# Altium PCB iTOP4412_main_Clasics_v3_2.PcbDoc (part 6 of 7)
Units mil, origin at the board's own origin, x right, y up, seen from the top; angles counter-clockwise.
Board outline 4331.71 x 7481.31 mil, 2 copper layers (TOP, BOTTOM), stack 10.4 mil thick; 260 components, 380 nets, 1380 pads, 1110 vias.
Unrouted connection lines stored in the file: 1.
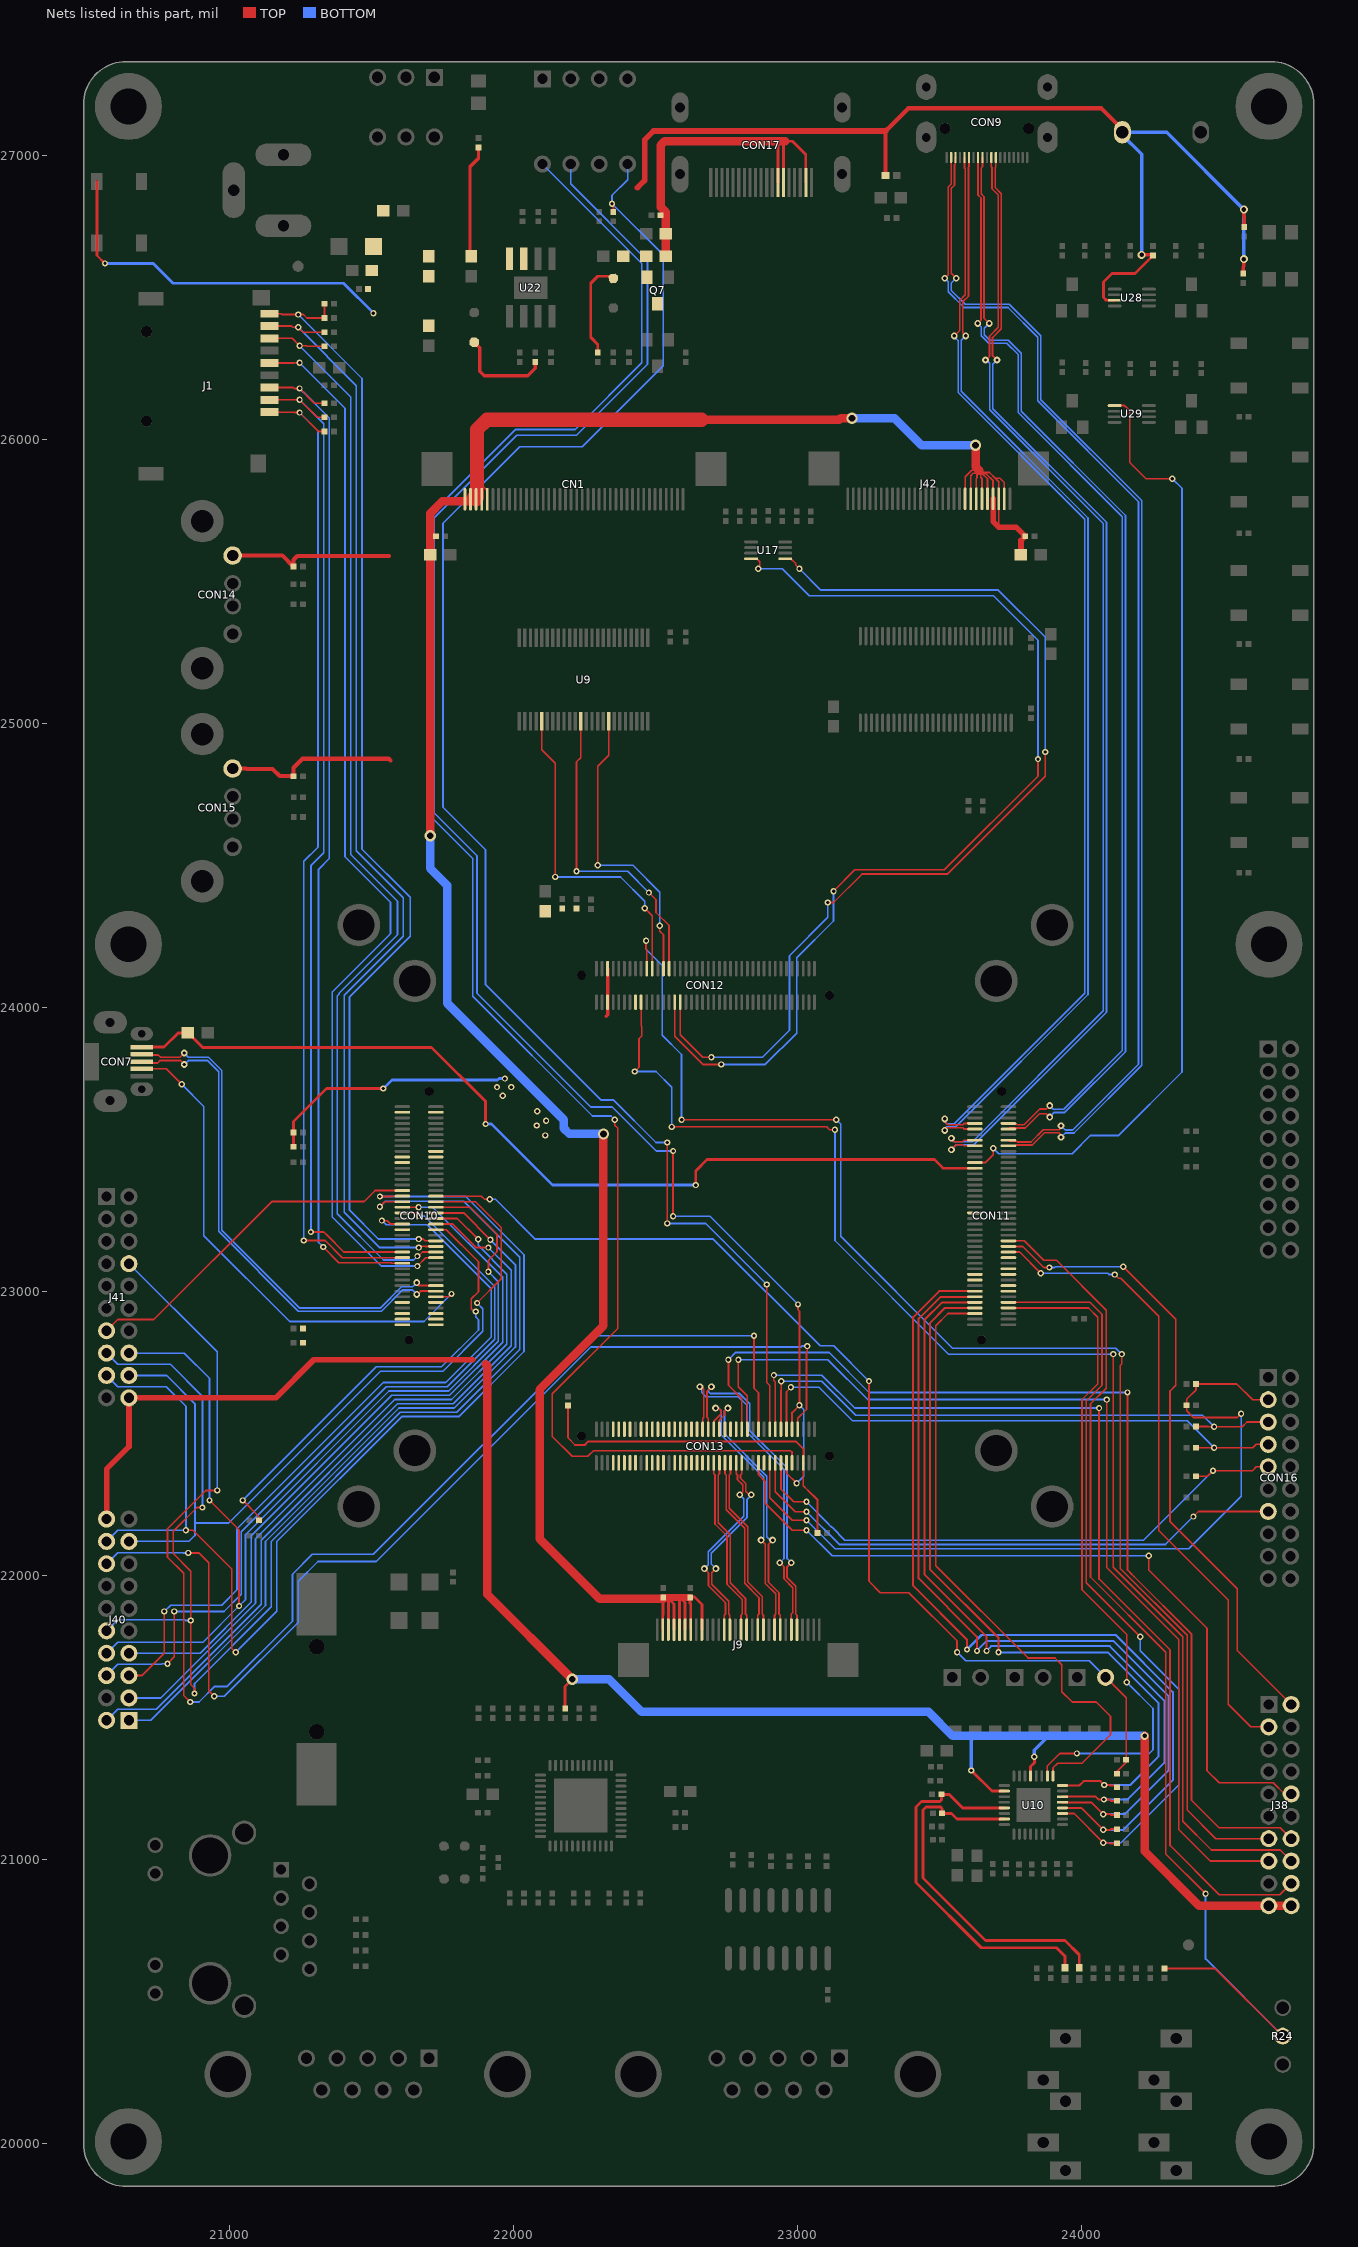
[diagram p6: the nets of this part, all layers, seen from the top]

## Via types
v1: diameter 22, hole 12, TOP to BOTTOM, 637 vias
v2: diameter 28, hole 16, TOP to BOTTOM, 350 vias
v3: diameter 24, hole 12, TOP to BOTTOM, 111 vias
v4: diameter 40, hole 24, TOP to BOTTOM, 12 vias

## Nets (pads, with @x,y where several pads share a name; then routed paths per layer and width w, separated by ;. In a path a pad name is that pad's centre, name@x,y a point inside that pad or via, vN(x,y) a via of type N, cw(c..) or ccw(c..) an arc to the next point about the centre after c; other vN are vias at no path point) (continued)
VSYS: C1.1 C2.1 C3.1 C61.1 C62.1 C87.1 C88.1 C104.1 C154.1 CON14.1 CON15.1 F1.2 F2.1 FB17.1 J38.19 J38.20 J40.20 J41.20 PZ1.+ Q7.2 R6.2 R8.1 R10.1 R31.2 R105.2 R106.2 R165.2 R173.2 U10.21 U10.26 U22.3 U22.4 U28.7 | length 14530
  TOP w8: 20534.11,26649.31 v1(20562.85,26620.57)
  TOP w10: 20534.11,26649.31 20534.11,26692.3 20534.11,26908.84 ; R173.2@21226.35,23510.57 R165.2@21226.35,23560.57 21226.35,23599.07 21342.85,23715.57 v1(21542.85,23715.57) ; R31.2@22182.85,21532.07 22182.85,21610.57 v4(22207.85,21635.57) ; R8.1@22297.85,26307.07 22297.85,26335.57 22272.85,26360.57 22272.85,26550.57 22297.89,26575.61 C61.1@22352.85,26575.61 ; Q7.2@22470.85,26567.63 Q7.2@22470.85,26571.57 ; v1(23612.85,21314.57) 23685.38,21242.05 U10.26@23729.27,21242.05 ; U10.21@23821.79,21295.2 23821.79,21328.5 23834.85,21341.57 v1(23834.85,21362.57) ; U28.7@24118.01,26490.73 24087.85,26490.73 24077.85,26500.73 24077.85,26555.57 24107.85,26585.57 24189.85,26585.57 24252.85,26648.57 C104.1@24252.85,26649.07
  TOP w12: C154.1@21847.85,26644.94 21847.85,26654.94 21847.85,26664.94 21847.85,26960.57 21877.85,26990.57 R6.2@21877.85,27029.07 ; v2(24212.85,26650.57) 24251.35,26650.57 C104.1@24252.85,26649.07 ; R106.2@24569.85,26585.07 24569.85,26607.57 24572.85,26610.57 v2(24572.85,26635.57) ; v2(24572.85,26810.57) 24572.85,26785.57 24573.85,26784.57 R105.2@24573.85,26748.07
  TOP w15: CON15.1@21012.35,24842.07 21060.35,24842.07 21061.85,24840.57 21152.85,24840.57 21177.85,24815.57 C88.1@21226.35,24815.57 21226.35,24845.07 21257.85,24876.57 21561.85,24876.57 21567.85,24870.57 ; CON14.1@21012.35,25592.07 21187.35,25592.07 21225.85,25553.57 C87.1@21226.35,25553.57 21226.35,25577.07 21239.85,25590.57 21562.85,25590.57 ; 23310.85,27086.57 23310.85,27025.55 23311.17,27025.24 FB17.1@23311.17,26930.57 ; 23313.85,27089.57 23390.85,27166.57 24070.74,27166.57 24144.9,27092.41 PZ1.+@24144.9,27082.57
  TOP w20: J40.20@20568.48,22199.9 20568.48,22376.2 20647.22,22454.94 J41.20@20647.22,22626.56 21163.84,22626.56 21297.85,22760.57 21857.85,22760.57 ; 22437.85,26887.57 22462.85,26912.57 22462.85,27055.57 22493.85,27086.57 23310.85,27086.57 23313.85,27089.57
  TOP w30: 21902.85,22745.57 21907.85,22740.57 21907.85,21935.57 v4(22207.85,21635.57) ; v2(24222.85,21436.53) 24222.85,21030.57 24415.19,20838.24 J38.19@24660.48,20838.24 J38.20@24739.22,20838.24
  BOTTOM w10: v1(20562.85,26620.57) 20732.85,26620.57 20802.85,26550.57 21402.85,26550.57 v1(21507.85,26445.57) ; v1(21542.85,23715.57) 21572.85,23745.57 21944.85,23745.57 21949.85,23750.57 v1(21970.85,23750.57)
  BOTTOM w12: v1(23612.85,21314.57) 23612.85,21420.53 23628.85,21436.53 ; v1(23834.85,21362.57) 23834.85,21386.53 23884.85,21436.53 ; v2(24212.85,26650.57) 24212.85,27004.78 24144.9,27072.73 PZ1.+@24144.9,27082.57 24300.85,27082.57 v2(24572.85,26810.57) v2(24572.85,26635.57)
  BOTTOM w30: v4(22207.85,21635.57) 22337.85,21635.57 22452.85,21520.57 23462.85,21520.57 23546.9,21436.53 23628.85,21436.53 23884.85,21436.53 v2(24222.85,21436.53)
  other v1: 22112.85,23550.57 22082.85,23585.57 22115.82,23602.58 22084.85,23635.57 21962.85,23690.57 21942.85,23720.57 21992.85,23720.57
VSYS_K: C93.1 C112.1 C117.1 C118.1 C129.1 C130.1 CON10.1 CON10.2 CON10.3 CON10.4 CON10.5 CON10.6 CON12.75 CON12.76 F2.2 L7.2 R131.1 | length 514.9
  TOP w12: L7.2@21862.85,26343.41 21882.85,26323.41 21882.85,26240.57 21897.85,26225.57 22051.85,26225.57 22077.85,26251.57 R131.1@22077.85,26274.07 ; 22327.85,23970.57 22332.34,23975.06 CON12.75@22332.34,24019.86 CON12.76@22332.34,24137.98
VSYS_LCD: C4.1 C5.1 C68.1 C69.1 C144.1 C145.1 C152.1 C153.1 CN1.1 CN1.2 CN1.3 CN1.4 CN1.5 CON17.13 CON17.14 CON17.18 J9.2 J9.3 J9.4 J9.5 J9.6 J9.7 J9.9 J42.2 J42.3 J42.4 J42.5 J42.6 J42.7 J42.8 J42.9 Q7.3 R10.2 | length 10532.4
  TOP w6: 21707.85,25660.57 C153.1@21727.85,25660.57 ; 21897.85,25831.57 21908.78,25820.65 CN1.5@21908.78,25790.33 ; C4.1@22519.35,26790.57 22527.85,26790.57 22537.85,26800.57 ; J42.9@23591.23,25791.89 23591.23,25868.95 23614.85,25892.57 23639.85,25892.57 ; J42.8@23610.92,25791.89 23610.92,25873.63 23618.85,25881.57 23630.85,25881.57 23632.85,25883.57 ; J42.7@23630.6,25791.89 23630.6,25863.32 23632.85,25865.57 23632.85,25883.57 ; J42.6@23650.29,25791.89 23650.29,25863.14 23645.85,25867.57 23645.85,25886.57 ; J42.5@23669.97,25791.89 23669.97,25862.45 23651.85,25880.57 ; J42.4@23689.66,25791.89 23689.66,25855.77 23664.85,25880.57 23651.85,25880.57 ; 23709.34,25692.1 J42.3@23709.34,25791.89 23709.34,25852.08 23696.85,25864.57 ; J42.2@23729.03,25791.89 23729.03,25849.4 23713.85,25864.57 23696.85,25864.57 ; 23632.85,25883.57 23640.85,25891.57 23645.85,25886.57 ; 23645.85,25886.57 23647.85,25884.57 ; 23647.85,25884.57 23676.85,25884.57 23696.85,25864.57 ; 23647.85,25884.57 23651.85,25880.57
  TOP w10: J9.2@22526.68,21810.57 22526.68,21861.57 22527.85,21862.74 22527.85,21915.57 C69.1@22527.85,21924.07 ; 22542.85,21924.07 22546.37,21920.56 ; J9.3@22546.37,21810.57 22546.37,21920.56 ; J9.4@22566.05,21810.57 22566.05,21900.87 22546.37,21920.56 ; J9.5@22585.74,21810.57 22585.74,21921.95 22587.85,21924.07 22605.42,21906.5 J9.6@22605.42,21810.57 ; J9.7@22625.11,21810.57 22625.11,21900.32 22622.85,21902.57 C68.1@22622.85,21924.07 22624.35,21925.57 22637.85,21925.57 22664.48,21898.95 J9.9@22664.48,21810.57 ; CON17.13@22931.91,26904.84 22931.91,27050.57 ; CON17.14@22951.59,26904.84 22951.59,27044.31 22957.85,27050.57 22982.85,27050.57 23030.33,27003.09 CON17.18@23030.33,26904.84
  TOP w20: J42.4@23689.66,25791.89 23689.66,25711.78 23709.34,25692.1 23770.83,25692.1 23802.35,25660.57 C145.1@23802.85,25660.57 23787.85,25645.57 C144.1@23787.85,25595.57
  TOP w25: C69.1@22517.85,21919.07 22532.85,21919.07 C69.1@22527.85,21924.07 ; C69.1@22527.85,21915.57 22536.35,21924.07 22542.85,21924.07 22587.85,21924.07 C68.1@22622.85,21924.07
  TOP w30: v4(21707.85,24605.57) C152.1@21707.85,25595.57 21707.85,25660.57 21707.85,25740.57 21749.85,25782.57 21861.85,25782.57 21863.85,25784.57 ; CN1.3@21867.85,25791.89 CN1.3@21872.85,25796.89 ; v4(22317.85,23555.57) 22317.85,22880.57 22092.85,22655.57 22092.85,22130.57 22304.35,21919.07 C69.1@22517.85,21919.07 ; R10.2@22537.85,26645.57 C5.1@22537.85,26725.57 22537.85,26800.57 22519.35,26819.07 22519.35,27037.07 22532.85,27050.57 22931.91,27050.57 22957.85,27050.57 ; 22662.85,26070.57 23147.85,26070.57 23152.85,26075.57 v4(23192.85,26075.57) ; v4(23627.85,25980.57) 23627.85,25904.57 23639.85,25892.57 23640.85,25891.57
  TOP w50: 21862.85,25796.89 21867.85,25791.89 CN1.3@21869.41,25790.33 ; CN1.3@21872.85,25796.89 21872.85,26035.57 21907.85,26070.57 22662.85,26070.57
  BOTTOM w30: v4(21707.85,24605.57) 21707.85,24490.57 21767.85,24430.57 21767.85,24015.57 22177.85,23605.57 22177.85,23575.57 22197.85,23555.57 v4(22317.85,23555.57) ; v4(23192.85,26075.57) 23342.85,26075.57 23437.85,25980.57 v4(23627.85,25980.57)
W_PMU_EN: CON13.8 J40.16 | length 3858.9
  TOP w6: v1(20855.85,22080.57) 20892.85,22080.57 20927.85,22045.57 20927.85,21595.57 v1(20947.85,21575.57) ; CON13.8@23001.63,22515.93 23001.63,22554.35 23032.85,22585.57 23032.85,22787.17 23035.45,22789.77 v1(23035.45,22808.77)
  BOTTOM w6: J40.16@20568.48,22042.42 20607.48,22081.42 20836,22081.42 20836.85,22080.57 v1(20855.85,22080.57) ; v1(20947.85,21575.57) 20982.85,21575.57 21242.85,21835.57 21242.85,21980.57 21312.85,22050.57 21517.85,22050.57 22272.85,22805.57 23013.25,22805.57 23016.45,22808.77 v1(23035.45,22808.77)
WIFI_CLK: CON10.37 J40.5 | length 2712.8
  TOP w6: J40.5@20647.22,21648.72 20692.85,21648.72 20771.85,21727.72 v1(20771.85,21874.57) ; v1(21537.85,23250.57) 21556.85,23250.57 21569.06,23238.36 CON10.37@21609.9,23238.36
  BOTTOM w6: v1(20771.85,21874.57) 20793.85,21896.57 20973.85,21896.57 21027.85,21950.57 21027.85,22165.57 21542.85,22680.57 21762.85,22680.57 21922.85,22840.57 21922.85,23010.57 21697.85,23235.57 21552.85,23235.57 v1(21537.85,23250.57)
WIFI_CMD: CON10.38 J40.2 | length 2701.1
  TOP w6: CON10.38@21728.01,23238.36 21787.35,23238.36 21870.14,23155.57 v1(21912.85,23155.57)
  BOTTOM w6: J40.2@20568.48,21491.24 20607.81,21530.57 20743.85,21530.57 21112.85,21899.57 21112.85,22125.57 21592.85,22605.57 21788.85,22605.57 21992.85,22809.57 21992.85,23075.57 v1(21912.85,23155.57)
WIFI_D0: CON10.41 J40.6 | length 2697.6
  TOP w6: v1(20782.85,21690.57) 20806.85,21714.57 v1(20806.85,21874.57) ; CON10.41@21609.9,23277.73 21656.69,23277.73 v1(21667.85,23266.57)
  BOTTOM w6: J40.6@20568.48,21648.72 20608.22,21688.46 20761.74,21688.46 20763.85,21690.57 v1(20782.85,21690.57) ; v1(20806.85,21874.57) 20981.85,21874.57 21042.85,21935.57 21042.85,22155.57 21552.85,22665.57 21767.85,22665.57 21934.85,22832.57 21934.85,23015.54 21932.85,23017.54 21932.85,23020.57 21686.85,23266.57 v1(21667.85,23266.57)
WIFI_D1: CON10.40 J40.3 | length 2569.7
  TOP w6: CON10.40@21728.01,23258.06 21803.37,23258.06 v1(21876.85,23184.57)
  BOTTOM w6: J40.3@20647.22,21569.98 20759.26,21569.98 21092.85,21903.57 21092.85,22130.57 21582.85,22620.57 21782.85,22620.57 21977.85,22815.57 21977.85,23062.28 21876.85,23163.28 v1(21876.85,23184.57)
WIFI_D2: CON10.43 J40.7 | length 2589.1
  TOP w6: CON10.43@21609.9,23297.42 21647.71,23297.42 21647.85,23297.57 v1(21666.85,23297.57)
  BOTTOM w6: J40.7@20647.22,21727.46 20897.74,21727.46 21077.85,21907.57 21077.85,22140.57 21572.85,22635.57 21775.85,22635.57 21962.85,22822.57 21962.85,23050.57 21715.85,23297.57 v1(21666.85,23297.57)
WIFI_D3: CON10.42 J40.1 | length 2682.1
  TOP w6: CON10.42@21728.01,23277.73 21825.69,23277.73 v1(21919.85,23183.57)
  BOTTOM w6: J40.1@20647.22,21491.24 20723.52,21491.24 21127.85,21895.57 21127.85,22120.57 21597.85,22590.57 21792.85,22590.57 22007.85,22805.57 22007.85,23095.57 v1(21919.85,23183.57)
WIFI_PWDN: CON10.36 R28.1 | length 1632.1
  TOP w6: v1(21047.85,22265.57) 21104.35,22209.07 R28.1@21104.35,22195.57 ; CON10.36@21728.01,23218.69 21764.51,23218.69 21877.85,23105.35 21877.85,23000.57 21852.85,22975.57 21852.85,22940.57 21862.85,22930.57 v1(21867.85,22930.57)
  BOTTOM w6: v1(21047.85,22265.57) 21517.85,22735.57 21747.85,22735.57 21877.85,22865.57 21877.85,22901.57 21867.85,22911.57 v1(21867.85,22930.57)
WIFI_WOW: CON10.35
WM8994_HPOUT_FL: CB2.1 L2.2 U10.31 | length 1265
  TOP w10: U10.31@23729.27,21143.62 23562.85,21143.62 23542.9,21163.57 CB2.1@23510.35,21163.57 23510.35,21180.57 23505.35,21185.57 23452.85,21185.57 23442.85,21175.57 23442.85,20935.57 23662.85,20715.57 23942.85,20715.57 23992.85,20665.57 L2.2@23992.85,20620.26
WM8994_HPOUT_FR: CB1.1 L3.2 U10.29 | length 1298.9
  TOP w10: U10.29@23729.27,21182.99 23582.85,21182.99 23535.28,21230.57 CB1.1@23508.35,21230.57 23508.35,21211.57 23502.35,21205.57 23437.85,21205.57 23417.85,21185.57 23417.85,20920.57 23647.85,20690.57 23912.85,20690.57 23942.85,20660.57 23942.85,20643.04 L3.2@23942.86,20620.25
XADCAIN0: C137.1 CON11.49 R24.2 | length 3819
  TOP w6: CON11.49@23743.76,23179.31 23799.11,23179.31 23867.85,23110.57 23912.85,23110.57 24087.85,22935.57 24087.85,22660.57 24032.85,22605.57 24032.85,21995.57 24297.85,21730.57 24297.85,21020.57 v1(24437.85,20880.57) ; C137.1@24292.85,20617.07 24471.93,20617.07 R24.2@24709.43,20379.57
  BOTTOM w6: v1(24437.85,20880.57) 24437.85,20651.15 R24.2@24709.43,20379.57
XADCAIN1: CON11.51 J38.2 | length 2239.2
  TOP w6: CON11.51@23743.76,23159.62 23793.8,23159.62 23867.85,23085.57 v1(23887.85,23085.57) ; v1(24147.85,23088.57) 24332.85,22903.57 24332.85,22670.57 24312.85,22650.57 24312.85,22190.57 24548.85,21954.57 24548.85,21737.27 J38.2@24739.22,21546.9
  BOTTOM w6: v1(23887.85,23085.57) 23906.85,23085.57 23909.85,23088.57 v1(24147.85,23088.57)
XADCAIN2: CON11.53 J38.3 | length 2265.9
  TOP w6: CON11.53@23743.76,23139.94 23783.48,23139.94 v1(23857.85,23065.57) ; v1(24117.85,23060.57) 24131.29,23047.13 24139.29,23047.13 24272.85,22913.57 24272.85,22159.57 24517.85,21914.57 24517.85,21547.57 24597.26,21468.16 J38.3@24660.48,21468.16
  BOTTOM w6: v1(23857.85,23065.57) 23876.85,23065.57 23877.29,23065.13 24094.29,23065.13 24098.85,23060.57 v1(24117.85,23060.57)
XADCAIN3: CON11.55
XCIFIELD: CON11.40
XCLKOUT: CON10.59
XEINT1_BAK: CON13.16 J38.18 | length 3544
  TOP w6: v1(22917.85,22706.57) 22917.85,22687.57 22922.89,22682.54 CON13.16@22922.89,22515.93 ; v1(24062.85,22590.57) 24062.85,21988.6 24312.85,21738.6 24312.85,21050.57 24486.19,20877.24 24699.48,20877.24 J38.18@24739.22,20916.98
  BOTTOM w6: v1(22917.85,22706.57) 23086.85,22706.57 23202.85,22590.57 v1(24062.85,22590.57)
XEINT6: CON13.18 R5.2 | length 5637.8
  TOP w6: v1(22347.85,26830.57) 22347.85,26826.57 22352.85,26821.57 R5.2@22352.85,26802.07 ; v1(22542.85,23240.57) v1(22542.85,23525.57) ; v1(22892.85,23025.57) 22892.85,22680.57 22903.21,22670.21 CON13.18@22903.21,22515.93
  BOTTOM w6: 22402.85,26970.57 22402.85,26915.57 22347.85,26860.57 v1(22347.85,26830.57) 22527.85,26650.57 22527.85,26260.57 22242.85,25975.57 22022.85,25975.57 21752.85,25705.57 21752.85,24705.57 21902.85,24555.57 21902.85,24080.57 22307.85,23675.57 22352.85,23675.57 22502.85,23525.57 v1(22542.85,23525.57) ; v1(22542.85,23240.57) 22677.85,23240.57 v1(22892.85,23025.57)
XEINT7/GPX0_7: C43.1 CON10.32 J1.9 R56.1 | length 4003.7
  TOP w6: J1.9@21142.42,26443.44 21182.92,26443.44 21185.79,26440.57 v1(21242.85,26440.57) 21261.85,26440.57 21273.85,26428.57 R56.1@21335.35,26428.57 C43.1@21335.35,26478.57 ; v1(21667.85,23185.57) 21683.85,23185.57 21690.11,23179.31 CON10.32@21728.01,23179.31
  BOTTOM w6: v1(21242.85,26440.57) 21467.85,26215.57 21467.85,24558.57 21637.85,24388.57 21637.85,24251.57 21423.35,24037.07 21423.35,23288.24 21526.02,23185.57 v1(21667.85,23185.57)
XEINT14_BAK: CON13.22 J41.8 | length 4753.4
  TOP w6: v1(20862.85,21555.57) 20839.85,21578.57 20839.85,22008.57 20782.85,22065.57 20782.85,22165.57 20917.85,22300.57 v1(20957.85,22300.57) ; v1(22847.85,22845.57) 22847.85,22660.57 22863.84,22644.58 CON13.22@22863.84,22515.93
  BOTTOM w6: J41.8@20647.22,23099 20957.85,22788.37 v1(20957.85,22300.57) ; v1(20862.85,21555.57) 20893.85,21555.57 20948.85,21610.57 20992.85,21610.57 21222.85,21840.57 21222.85,22005.57 21292.85,22075.57 21507.85,22075.57 22277.85,22845.57 v1(22847.85,22845.57)
XEINT18/KP_ROW2/ALV_DBG14: CON10.48 J5.2 R72.1 R75.1 | length 3878.7
  TOP w6: CON10.48@21728.01,23336.8 21887.63,23336.8 21898.85,23325.57 v1(21917.85,23325.57) ; v1(23252.85,22685.57) 23252.85,21980.57 23292.85,21940.57 23392.85,21940.57 23562.85,21770.57 v1(23562.85,21730.57) ; J5.2@24085.85,21642.57 24158.35,21570.07 R72.1@24158.35,21352.57 24158.35,21343.07 24125.35,21310.07 R75.1@24125.35,21303.57
  BOTTOM w6: v1(21917.85,23325.57) 21937.85,23325.57 22077.85,23185.57 22704.57,23185.57 23080.57,22809.57 23128.85,22809.57 v1(23252.85,22685.57) ; v1(23562.85,21730.57) 23592.85,21700.57 24027.85,21700.57 J5.2@24085.85,21642.57
XEINT29/KP_ROW13/ALV_DBG25: CON10.49 J41.13 | length 1245.9
  TOP w6: J41.13@20568.48,22862.78 20608.22,22902.52 20734.8,22902.52 21149.85,23317.57 21474.85,23317.57 21513.76,23356.47 CON10.49@21609.9,23356.47
XEINT30/HDMI_CEC/ALV_DBG26: CON11.22 U29.5 | length 3411.2
  TOP w6: CON11.22@23625.65,23454.91 23662.15,23454.91 23689.85,23482.62 v1(23689.85,23505.57) ; U29.5@24117.81,26120.1 24153.33,26120.1 24170.85,26102.57 24170.85,25919.57 24227.85,25862.57 v1(24320.85,25862.57)
  BOTTOM w6: v1(23689.85,23505.57) 23709.85,23485.57 23967.85,23485.57 24032.85,23550.57 24131.85,23550.57 24354.85,23773.57 24354.85,25828.57 v1(24320.85,25862.57)
XHDMITX0N: CON9.9 CON11.9 | length 3947.1
  TOP w6: CON9.9@23652.11,26993.78 23652.11,26960.91 23647.85,26956.66 23647.85,26865.57 23657.85,26855.57 23657.85,26427.57 v3(23675.85,26409.57) ; CON11.9@23743.76,23573.01 23747.44,23576.69 23802.97,23576.69 23852.85,23626.57 23877.35,23626.57 v3(23888.85,23615.07)
  BOTTOM w6: v3(23675.85,26409.57) 23658.85,26392.57 23658.85,26370.13 23678.41,26350.57 23742.85,26350.57 23788.85,26304.57 23788.85,26100.13 24155.85,25733.13 24155.85,23845.01 23942.41,23631.57 23905.36,23631.57 v3(23888.85,23615.07)
XHDMITX0P: CON9.8 CON11.7 | length 3924.5
  TOP w6: v3(23635.35,26409.57) 23646.85,26421.07 23646.85,26851.01 23636.85,26861.01 23636.85,26961.22 23636.35,26961.72 CON9.8@23636.36,26993.78 ; CON11.7@23743.76,23592.69 23745.88,23590.57 23771.33,23590.57 23774.21,23587.69 23798.42,23587.69 23854.3,23643.57 23876.85,23643.57 v3(23888.85,23655.57)
  BOTTOM w6: v3(23635.35,26409.57) 23646.85,26398.07 23646.85,26397.6 23647.85,26396.6 23647.85,26365.57 23673.85,26339.57 23738.3,26339.57 23777.85,26300.01 23777.85,26095.57 24144.85,25728.57 24144.85,23849.57 23937.85,23642.57 23901.85,23642.57 v3(23888.85,23655.57)
XHDMITX1N: CON9.6 CON11.10 | length 3971.5
  TOP w6: v3(23519.14,23568.21) 23519.14,23571.35 23525.14,23577.35 23582.9,23577.35 23587.24,23573.01 CON11.10@23625.65,23573.01 ; v3(23593.36,26365.57) 23582.85,26376.07 23582.85,26485.57 23602.85,26505.57 23602.85,26958.56 23604.86,26960.57 CON9.6@23604.86,26993.78
  BOTTOM w6: v3(23519.14,23568.21) 23519.14,23573.3 23526.41,23580.57 23557.61,23580.57 24023.85,24046.81 24023.85,25724.57 23577.85,26170.57 23577.85,26350.07 v3(23593.36,26365.57)
XHDMITX1P: CON9.5 CON11.8 | length 3970.8
  TOP w6: v3(23519.14,23608.71) 23519.14,23599.29 23527.22,23591.21 23528.67,23591.21 23531.52,23588.35 23582.9,23588.35 23587.24,23592.69 CON11.8@23625.65,23592.69 ; v3(23552.85,26365.57) 23571.85,26384.57 23571.85,26490.13 23591.85,26510.13 23591.85,26953.98 23589.11,26956.72 CON9.5@23589.11,26993.78
  BOTTOM w6: v3(23519.14,23608.71) 23519.14,23599.29 23526.85,23591.57 23553.06,23591.57 24012.85,24051.37 24012.85,25720.01 23566.85,26166.01 23566.85,26348.62 23560.85,26354.62 23558.33,26354.62 23552.85,26360.1 v3(23552.85,26365.57)
XHDMITX2N: CON9.3 CON11.15 | length 4191
  TOP w6: v3(23559.85,26568.57) 23542.85,26585.57 23542.85,26885.01 23553.61,26895.78 23553.61,26968.31 23556.87,26971.57 CON9.3@23556.87,26992.67 ; CON11.15@23743.76,23513.95 23769.2,23513.95 23771.82,23516.57 23827.85,23516.57 23870.85,23559.57 23921.41,23559.57 23927.41,23553.57 23927.41,23544.79 23928.13,23544.07 v3(23928.85,23544.07) ; CON9.3@23556.87,26992.67 23556.87,26993.04 CON9.3@23557.62,26993.78 23557.61,26993.41 CON9.3@23556.87,26992.67
  BOTTOM w6: v3(23559.85,26568.57) 23542.85,26551.57 23542.85,26525.57 23591.85,26476.57 23746.85,26476.57 23857.85,26365.57 23857.85,26141.13 24212.85,25786.13 24212.85,23797.01 23974.66,23558.82 23943.6,23558.82 v3(23928.85,23544.07)
XHDMITX2P: CON9.2 CON11.13 | length 4167.7
  TOP w6: v3(23519.35,26568.57) 23531.85,26581.07 23531.85,26889.57 23542.61,26900.33 CON9.2@23542.61,26993.04 ; CON11.13@23743.76,23533.64 23747.45,23529.95 23772.89,23529.95 23775.27,23527.57 23823.3,23527.57 23866.3,23570.57 23922.85,23570.57 23928.85,23576.57 v3(23928.85,23584.57) ; CON9.2@23542.61,26993.04 CON9.2@23541.87,26993.78 CON9.2@23542.61,26993.04
  BOTTOM w6: v3(23519.35,26568.57) 23531.85,26556.07 23531.85,26521.01 23587.3,26465.57 23742.3,26465.57 23846.85,26361.01 23846.85,26136.57 24201.85,25781.57 24201.85,23801.57 23970.1,23569.82 23943.61,23569.82 v3(23928.85,23584.57)
XHDMITXCN: CON9.12 CON11.16 | length 4048.4
  TOP w6: v3(23542.85,23500.07) 23560.36,23517.57 23583.63,23517.57 23587.25,23513.95 CON11.16@23625.65,23513.95 ; CON9.12@23699.35,26993.78 23699.35,26960.91 23696.98,26958.54 23696.98,26888.03 23718.85,26866.16 23718.85,26391.01 23687.85,26360.01 23687.85,26296.07 v3(23703.36,26280.57)
  BOTTOM w6: v3(23542.85,23500.07) 23560.36,23517.57 23621.85,23517.57 24088.85,23984.57 24088.85,25709.57 23688.85,26109.57 23688.85,26265.35 23703.36,26279.85 v3(23703.36,26280.57)
XHDMITXCP: CON9.11 CON11.14 | length 4031.4
  TOP w6: v3(23542.85,23540.57) 23542.85,23538.57 23552.85,23528.57 23582.18,23528.57 23587.25,23533.64 CON11.14@23625.65,23533.64 ; v3(23662.85,26280.57) 23669.37,26287.09 23670.85,26287.09 23676.85,26293.09 23676.85,26364.57 23707.85,26395.57 23707.85,26861.6 23685.98,26883.48 23685.98,26958.54 23683.6,26960.91 CON9.11@23683.6,26993.78
  BOTTOM w6: v3(23542.85,23540.57) 23542.85,23538.57 23552.85,23528.57 23617.3,23528.57 24077.85,23989.13 24077.85,25705.01 23677.85,26105.01 23677.85,26269.57 23666.85,26280.57 v3(23662.85,26280.57)
XI2S0CDCLK/PCM_0_EXTCLK: CON11.71 R68.2 U10.11 | length 2744.9
  TOP w6: CON11.71@23743.76,22962.78 24030.65,22962.78 24072.85,22920.57 24072.85,22670.57 24017.85,22615.57 24017.85,21975.57 v1(24207.85,21785.57) ; U10.11@23933.99,21163.31 23975.12,21163.31 v1(24077.85,21060.57) 24097.35,21060.57 24100.09,21057.83 R68.2@24125.13,21057.83
  BOTTOM w6: v1(24077.85,21060.57) 24139.85,21060.57 24342.85,21263.57 24342.85,21600.57 24207.85,21735.57 v1(24207.85,21785.57)

## Text inside footprints (layer, text, board x,y; h text height)
J4: PIN_NUMBER "1" at 23754.83,21642.57 h27.56 r90; PIN_NUMBER "2" at 23854.83,21642.57 h27.56 r90
J5: PIN_NUMBER "1" at 23974.83,21642.57 h27.56 r90; PIN_NUMBER "2" at 24074.83,21642.57 h27.56 r90
J6: PIN_NUMBER "5" at 24314.82,19905.96 h25 r90; PIN_NUMBER "2" at 24236.08,20004.39 h25 r90; PIN_NUMBER "4" at 24314.82,20150.06 h25 r90; PIN_NUMBER "3" at 24236.08,20224.86 h25 r90; PIN_NUMBER "1" at 24314.82,20370.53 h25 r90
J7: PIN_NUMBER "5" at 23924.82,19905.96 h25 r90; PIN_NUMBER "1" at 23924.82,20370.53 h25 r90; PIN_NUMBER "2" at 23846.08,20004.39 h25 r90; PIN_NUMBER "4" at 23924.82,20150.06 h25 r90; PIN_NUMBER "3" at 23846.08,20224.86 h25 r90
J9: PIN_NUMBER "8" at 22636.79,21810.57 h20 r180; PIN_NUMBER "1" at 22499,21810.57 h20 r180; PIN_NUMBER "32" at 22407.57,21704.27 h20 r180; PIN_NUMBER "31" at 23145.14,21704.27 h20 r180; PIN_NUMBER "27" at 23002.81,21810.57 h20 r180; PIN_NUMBER "28" at 23022.49,21810.57 h20 r180; PIN_NUMBER "24" at 22943.75,21810.57 h20 r180; PIN_NUMBER "21" at 22884.7,21810.57 h20 r180; PIN_NUMBER "18" at 22825.64,21810.57 h20 r180; PIN_NUMBER "15" at 22766.59,21810.57 h20 r180; PIN_NUMBER "10" at 22668.16,21810.57 h20 r180; PIN_NUMBER "12" at 22707.53,21810.57 h20 r180; PIN_NUMBER "30" at 23061.86,21810.57 h20 r180; PIN_NUMBER "11" at 22687.85,21810.57 h20 r180; PIN_NUMBER "29" at 23042.18,21810.57 h20 r180; PIN_NUMBER "22" at 22904.38,21810.57 h20 r180; PIN_NUMBER "16" at 22786.27,21810.57 h20 r180; PIN_NUMBER "14" at 22746.9,21810.57 h20 r180; PIN_NUMBER "19" at 22845.33,21810.57 h20 r180; PIN_NUMBER "26" at 22983.12,21810.57 h20 r180; PIN_NUMBER "20" at 22865.01,21810.57 h20 r180; PIN_NUMBER "17" at 22805.96,21810.57 h20 r180; PIN_NUMBER "23" at 22924.07,21810.57 h20 r180; PIN_NUMBER "25" at 22963.44,21810.57 h20 r180; PIN_NUMBER "13" at 22727.22,21810.57 h20 r180; PIN_NUMBER "2" at 22518.68,21810.57 h20 r180; PIN_NUMBER "9" at 22656.48,21810.57 h20 r180; PIN_NUMBER "6" at 22597.42,21810.57 h20 r180; PIN_NUMBER "5" at 22577.74,21810.57 h20 r180; PIN_NUMBER "7" at 22617.11,21810.57 h20 r180; PIN_NUMBER "3" at 22538.37,21810.57 h20 r180; PIN_NUMBER "4" at 22558.05,21810.57 h20 r180
J11: PIN_NUMBER "1" at 21702.5,27275.91 h25 r180; PIN_NUMBER "4" at 21502.5,27065.91 h25 r180; PIN_NUMBER "6" at 21702.5,27065.91 h25 r180; PIN_NUMBER "3" at 21502.5,27275.91 h25 r180; PIN_NUMBER "2" at 21602.5,27275.91 h25 r180; PIN_NUMBER "5" at 21602.5,27065.91 h25 r180
J27: PIN_NUMBER "16" at 24717.22,23304.04 h25 r270; PIN_NUMBER "18" at 24717.22,23225.29 h25 r270; PIN_NUMBER "19" at 24638.48,23146.56 h25 r270; PIN_NUMBER "2" at 24727.22,23855.22 h25 r270; PIN_NUMBER "20" at 24717.22,23146.56 h25 r270; PIN_NUMBER "4" at 24727.22,23776.48 h25 r270; PIN_NUMBER "10" at 24717.22,23540.26 h25 r270; PIN_NUMBER "7" at 24648.48,23619 h25 r270; PIN_NUMBER "9" at 24648.48,23540.26 h25 r270; PIN_NUMBER "8" at 24727.22,23619 h25 r270; PIN_NUMBER "1" at 24648.48,23855.22 h25 r270; PIN_NUMBER "6" at 24727.22,23697.74 h25 r270; PIN_NUMBER "17" at 24638.48,23225.29 h25 r270; PIN_NUMBER "3" at 24648.48,23776.48 h25 r270; PIN_NUMBER "5" at 24648.48,23697.74 h25 r270; PIN_NUMBER "15" at 24638.48,23304.04 h25 r270; PIN_NUMBER "14" at 24717.22,23382.78 h25 r270; PIN_NUMBER "12" at 24717.22,23461.52 h25 r270; PIN_NUMBER "13" at 24638.48,23382.78 h25 r270; PIN_NUMBER "11" at 24638.48,23461.52 h25 r270; Top Overlay "10" at 24831.71,23552.07 h15.75 r270; Top Overlay "2" at 24831.71,23859.15 h15.75 r270; Top Overlay "20" at 24831.71,23154.43 h15.75 r270; Top Overlay "19" at 24548.25,23158.37 h25 r270; Top Overlay "9" at 24548.25,23548.13 h25 r270
J38: PIN_NUMBER "2" at 24729.22,21546.9 h25 r270; PIN_NUMBER "12" at 24719.22,21153.2 h25 r270; PIN_NUMBER "10" at 24719.22,21231.94 h25 r270; PIN_NUMBER "1" at 24650.48,21546.9 h25 r270; PIN_NUMBER "9" at 24650.48,21231.94 h25 r270; PIN_NUMBER "4" at 24729.22,21468.16 h25 r270; PIN_NUMBER "5" at 24650.48,21389.42 h25 r270; PIN_NUMBER "19" at 24640.48,20838.24 h25 r270; PIN_NUMBER "20" at 24719.22,20838.24 h25 r270; PIN_NUMBER "15" at 24640.48,20995.72 h25 r270; PIN_NUMBER "14" at 24719.22,21074.46 h25 r270; PIN_NUMBER "3" at 24650.48,21468.16 h25 r270; PIN_NUMBER "16" at 24719.22,20995.72 h25 r270; PIN_NUMBER "13" at 24640.48,21074.46 h25 r270; PIN_NUMBER "18" at 24719.22,20916.98 h25 r270; PIN_NUMBER "8" at 24729.22,21310.68 h25 r270; PIN_NUMBER "7" at 24650.48,21310.68 h25 r270; PIN_NUMBER "6" at 24729.22,21389.42 h25 r270; PIN_NUMBER "11" at 24640.48,21153.2 h25 r270; PIN_NUMBER "17" at 24640.48,20916.98 h25 r270; Top Overlay "10" at 24833.71,21243.75 h15.75 r270; Top Overlay "2" at 24833.71,21550.84 h15.75 r270; Top Overlay "20" at 24833.71,20846.11 h15.75 r270; Top Overlay "19" at 24550.25,20850.05 h25 r270; Top Overlay "9" at 24550.25,21239.81 h25 r270
J40: PIN_NUMBER "11" at 20627.22,21884.94 h25 r90; PIN_NUMBER "9" at 20637.22,21806.2 h25 r90; PIN_NUMBER "4" at 20558.48,21569.98 h25 r90; PIN_NUMBER "8" at 20558.48,21727.46 h25 r90; PIN_NUMBER "10" at 20548.48,21806.2 h25 r90; PIN_NUMBER "17" at 20627.22,22121.16 h25 r90; PIN_NUMBER "16" at 20548.48,22042.42 h25 r90; PIN_NUMBER "18" at 20548.48,22121.16 h25 r90; PIN_NUMBER "20" at 20548.48,22199.9 h25 r90; PIN_NUMBER "12" at 20548.48,21884.94 h25 r90; PIN_NUMBER "1" at 20637.22,21491.24 h25 r90; PIN_NUMBER "2" at 20558.48,21491.24 h25 r90; PIN_NUMBER "3" at 20637.22,21569.98 h25 r90; PIN_NUMBER "5" at 20637.22,21648.72 h25 r90; PIN_NUMBER "6" at 20558.48,21648.72 h25 r90; PIN_NUMBER "7" at 20637.22,21727.46 h25 r90; PIN_NUMBER "19" at 20627.22,22199.9 h25 r90; PIN_NUMBER "14" at 20548.48,21963.68 h25 r90; PIN_NUMBER "13" at 20627.22,21963.68 h25 r90; PIN_NUMBER "15" at 20627.22,22042.42 h25 r90; Top Overlay "10" at 20474,21794.39 h15.75 r90; Top Overlay "2" at 20474,21487.3 h15.75 r90; Top Overlay "20" at 20474,22192.03 h15.75 r90; Top Overlay "19" at 20757.46,22188.09 h25 r90; Top Overlay "9" at 20757.46,21798.33 h25 r90
J41: PIN_NUMBER "6" at 20637.22,23177.74 h25 r270; PIN_NUMBER "13" at 20548.48,22862.78 h25 r270; PIN_NUMBER "5" at 20558.48,23177.74 h25 r270; PIN_NUMBER "9" at 20558.48,23020.26 h25 r270; PIN_NUMBER "14" at 20627.22,22862.78 h25 r270; PIN_NUMBER "11" at 20548.48,22941.52 h25 r270; PIN_NUMBER "12" at 20627.22,22941.52 h25 r270; PIN_NUMBER "7" at 20558.48,23099 h25 r270; PIN_NUMBER "16" at 20627.22,22784.04 h25 r270; PIN_NUMBER "15" at 20548.48,22784.04 h25 r270; PIN_NUMBER "18" at 20627.22,22705.29 h25 r270; PIN_NUMBER "17" at 20548.48,22705.29 h25 r270; PIN_NUMBER "20" at 20627.22,22626.56 h25 r270; PIN_NUMBER "1" at 20558.48,23335.22 h25 r270; PIN_NUMBER "19" at 20548.48,22626.56 h25 r270; PIN_NUMBER "10" at 20627.22,23020.26 h25 r270; PIN_NUMBER "8" at 20637.22,23099 h25 r270; PIN_NUMBER "3" at 20558.48,23256.48 h25 r270; PIN_NUMBER "2" at 20637.22,23335.22 h25 r270; PIN_NUMBER "4" at 20637.22,23256.48 h25 r270; Top Overlay "10" at 20731.71,23032.07 h25 r270; Top Overlay "2" at 20731.71,23339.15 h25 r270; Top Overlay "20" at 20731.71,22634.43 h25 r270; Top Overlay "19" at 20458.25,22638.37 h15.75 r270; Top Overlay "9" at 20458.25,23028.13 h15.75 r270
J42: PIN_NUMBER "23" at 23299.64,25791.89 h20; PIN_NUMBER "11" at 23535.86,25791.89 h20; PIN_NUMBER "19" at 23378.38,25791.89 h20; PIN_NUMBER "16" at 23437.44,25791.89 h20; PIN_NUMBER "22" at 23319.33,25791.89 h20; PIN_NUMBER "25" at 23260.27,25791.89 h20; PIN_NUMBER "14" at 23476.81,25791.89 h20; PIN_NUMBER "24" at 23279.96,25791.89 h20; PIN_NUMBER "13" at 23496.49,25791.89 h20; PIN_NUMBER "20" at 23358.7,25791.89 h20; PIN_NUMBER "17" at 23417.75,25791.89 h20; PIN_NUMBER "30" at 23161.85,25791.89 h20; PIN_NUMBER "29" at 23181.53,25791.89 h20; PIN_NUMBER "31" at 23078.57,25898.19 h20; PIN_NUMBER "32" at 23816.14,25898.19 h20; PIN_NUMBER "10" at 23555.55,25791.89 h20; PIN_NUMBER "28" at 23201.22,25791.89 h20; PIN_NUMBER "27" at 23220.9,25791.89 h20; PIN_NUMBER "21" at 23339.01,25791.89 h20; PIN_NUMBER "15" at 23457.12,25791.89 h20; PIN_NUMBER "18" at 23398.07,25791.89 h20; PIN_NUMBER "12" at 23516.18,25791.89 h20; PIN_NUMBER "26" at 23240.59,25791.89 h20; PIN_NUMBER "1" at 23740.71,25791.89 h20; PIN_NUMBER "9" at 23583.23,25791.89 h20; PIN_NUMBER "8" at 23602.92,25791.89 h20; PIN_NUMBER "7" at 23622.6,25791.89 h20; PIN_NUMBER "6" at 23642.29,25791.89 h20; PIN_NUMBER "5" at 23661.97,25791.89 h20; PIN_NUMBER "4" at 23681.66,25791.89 h20; PIN_NUMBER "3" at 23701.34,25791.89 h20; PIN_NUMBER "2" at 23721.03,25791.89 h20
L2: PIN_NUMBER "2" at 23992.85,20620.26 h23.62 r90; PIN_NUMBER "1" at 23992.85,20580.89 h23.62 r90; PLACE_BOUND_TOP "1.1" at 24014.5,20557.27 h23.62 r90; DIMENSION_KEEPOUT "[s0.7x0.6]" at 23984.13,20600.57 h23.62 r90
L3: PIN_NUMBER "2" at 23942.86,20620.25 h23.62 r90; PIN_NUMBER "1" at 23942.86,20580.88 h23.62 r90; PLACE_BOUND_TOP "1.1" at 23964.51,20557.27 h23.62 r90; DIMENSION_KEEPOUT "[s0.7x0.6]" at 23934.13,20600.56 h23.62 r90
L7: PIN_NUMBER "2" at 21856.55,26343.41 h15.75 r270; PIN_NUMBER "1" at 21856.55,26447.74 h15.75 r270
LED1: PIN_NUMBER "2" at 21877.85,27262.97 h23.62 r90; PIN_NUMBER "1" at 21877.85,27184.23 h23.62 r90; PLACE_BOUND_TOP "1.8" at 21913.29,27148.8 h23.62 r90; DIMENSION_KEEPOUT "[s1.2x1.3]" at 21896.67,27223.6 h23.62 r90
LED2: PIN_NUMBER "2" at 24740.26,26730.57 h23.62; PIN_NUMBER "1" at 24661.52,26730.57 h23.62; PLACE_BOUND_TOP "1.8" at 24626.08,26695.14 h23.62; DIMENSION_KEEPOUT "[s1.2x1.3]" at 24606.4,26617.27 h23.62
LED3: PIN_NUMBER "1" at 24661.52,26565.57 h23.62; PIN_NUMBER "2" at 24740.26,26565.57 h23.62; PLACE_BOUND_TOP "1.8" at 24626.08,26530.14 h23.62; DIMENSION_KEEPOUT "[s1.2x1.3]" at 24606.4,26452.27 h23.62
PZ1: PIN_NUMBER "+" at 24114.9,27082.57 h25; PIN_NUMBER "-" at 24686.71,27082.57 h25
Q1: PIN_NUMBER "2" at 23995.35,26454.32 h25 r180; PIN_NUMBER "3" at 23958.35,26546.82 h25 r180; PIN_NUMBER "1" at 23920.35,26454.32 h25 r180
Q2: PIN_NUMBER "2" at 23995.35,26044.32 h25 r180; PIN_NUMBER "1" at 23920.35,26044.32 h25 r180; PIN_NUMBER "3" at 23958.35,26136.82 h25 r180
Q3: PIN_NUMBER "2" at 24415.35,26044.32 h25 r180; PIN_NUMBER "3" at 24378.35,26136.82 h25 r180; PIN_NUMBER "1" at 24340.35,26044.32 h25 r180
Q5: PIN_NUMBER "2" at 24415.35,26454.32 h25 r180; PIN_NUMBER "1" at 24340.35,26454.32 h25 r180; PIN_NUMBER "3" at 24378.35,26546.82 h25 r180
Q7: PIN_NUMBER "2" at 22460.85,26571.57 h25; PIN_NUMBER "3" at 22497.85,26479.07 h25; PIN_NUMBER "1" at 22535.85,26571.57 h25
Q8: PIN_NUMBER "2" at 22460.85,26351.57 h25; PIN_NUMBER "1" at 22535.85,26351.57 h25; PIN_NUMBER "3" at 22497.85,26259.07 h25
R1: PIN_NUMBER "1" at 23922.85,26239.07 h25 r90; PIN_NUMBER "2" at 23922.85,26272.07 h25 r90
R2: PIN_NUMBER "2" at 24412.85,26267.07 h25 r90; PIN_NUMBER "1" at 24412.85,26234.07 h25 r90
R3: PIN_NUMBER "1" at 22077.85,26802.07 h25 r270; PIN_NUMBER "2" at 22077.85,26769.07 h25 r270
R4: PIN_NUMBER "2" at 22292.85,26802.07 h25 r90; PIN_NUMBER "1" at 22292.85,26769.07 h25 r90
R5: PIN_NUMBER "1" at 22342.85,26769.07 h25 r90; PIN_NUMBER "2" at 22342.85,26802.07 h25 r90
R6: PIN_NUMBER "2" at 21867.85,27029.07 h25 r270; PIN_NUMBER "1" at 21867.85,27062.07 h25 r270
R7: PIN_NUMBER "2" at 22597.85,26274.07 h25 r270; PIN_NUMBER "1" at 22597.85,26307.07 h25 r270
R8: PIN_NUMBER "1" at 22287.85,26307.07 h25 r270; PIN_NUMBER "2" at 22287.85,26274.07 h25 r270
R9: PIN_NUMBER "1" at 22342.85,26307.07 h25 r270; PIN_NUMBER "2" at 22342.85,26274.07 h25 r270
R10: PIN_NUMBER "1" at 22457.85,26645.57 h25; PIN_NUMBER "2" at 22527.85,26645.57 h25
R11: PIN_NUMBER "2" at 22397.85,26307.07 h25 r90; PIN_NUMBER "1" at 22397.85,26274.07 h25 r90
R13: PIN_NUMBER "1" at 21777.85,22012.07 h25 r270; PIN_NUMBER "2" at 21777.85,21979.07 h25 r270
R14: PIN_NUMBER "1" at 24579.35,26080.57 h25 r180; PIN_NUMBER "2" at 24546.35,26080.57 h25 r180
R15: PIN_NUMBER "2" at 24546.35,25670.57 h25 r180; PIN_NUMBER "1" at 24579.35,25670.57 h25 r180
R16: PIN_NUMBER "2" at 24546.35,25280.57 h25 r180; PIN_NUMBER "1" at 24579.35,25280.57 h25 r180
R17: PIN_NUMBER "1" at 24579.35,24875.57 h25 r180; PIN_NUMBER "2" at 24546.35,24875.57 h25 r180
R18: PIN_NUMBER "1" at 24579.35,24475.57 h25 r180; PIN_NUMBER "2" at 24546.35,24475.57 h25 r180
R20: PIN_NUMBER "2" at 22762.85,20984.07 h25 r270; PIN_NUMBER "1" at 22762.85,21017.07 h25 r270
R21: PIN_NUMBER "2" at 22827.85,20984.07 h25 r270; PIN_NUMBER "1" at 22827.85,21017.07 h25 r270
R22: PIN_NUMBER "2" at 24322.85,26267.07 h25 r90; PIN_NUMBER "1" at 24322.85,26234.07 h25 r90
R23: PIN_NUMBER "2" at 24412.85,26682.07 h25 r90; PIN_NUMBER "1" at 24412.85,26649.07 h25 r90
R24: PIN_NUMBER "2" at 24699.43,20379.57 h25 r90; PIN_NUMBER "1" at 24689.43,20229.57 h25 r90; PIN_NUMBER "3" at 24699.43,20479.57 h25 r90
R25: PIN_NUMBER "2" at 22182.85,22599.07 h25 r270; PIN_NUMBER "1" at 22182.85,22632.07 h25 r270
R26: PIN_NUMBER "1" at 23037.85,25747.07 h25 r270; PIN_NUMBER "2" at 23037.85,25714.07 h25 r270
R27: PIN_NUMBER "1" at 21094.35,22140.57 h25 r180; PIN_NUMBER "2" at 21061.35,22140.57 h25 r180
R28: PIN_NUMBER "1" at 21094.35,22195.57 h25 r180; PIN_NUMBER "2" at 21061.35,22195.57 h25 r180
R30: PIN_NUMBER "2" at 21972.85,21532.07 h25 r90; PIN_NUMBER "1" at 21972.85,21499.07 h25 r90
R31: PIN_NUMBER "2" at 22172.85,21532.07 h25 r90; PIN_NUMBER "1" at 22172.85,21499.07 h25 r90
R32: PIN_NUMBER "2" at 21469.35,20625.57 h25; PIN_NUMBER "1" at 21436.35,20625.57 h25
R33: PIN_NUMBER "2" at 22027.85,20849.07 h25 r270; PIN_NUMBER "1" at 22027.85,20882.07 h25 r270
R34: PIN_NUMBER "1" at 22127.85,20882.07 h25 r270; PIN_NUMBER "2" at 22127.85,20849.07 h25 r270
R35: PIN_NUMBER "1" at 22202.85,20882.07 h25 r270; PIN_NUMBER "2" at 22202.85,20849.07 h25 r270
R36: PIN_NUMBER "1" at 22272.85,21532.07 h25 r270; PIN_NUMBER "2" at 22272.85,21499.07 h25 r270
R37: PIN_NUMBER "2" at 22252.85,20849.07 h25 r270; PIN_NUMBER "1" at 22252.85,20882.07 h25 r270
R38: PIN_NUMBER "2" at 22327.85,20849.07 h25 r270; PIN_NUMBER "1" at 22327.85,20882.07 h25 r270
R39: PIN_NUMBER "1" at 22594.35,21165.57 h25 r180; PIN_NUMBER "2" at 22561.35,21165.57 h25 r180
R40: PIN_NUMBER "1" at 22022.85,21499.07 h25 r90; PIN_NUMBER "2" at 22022.85,21532.07 h25 r90
R41: PIN_NUMBER "1" at 22594.35,21115.57 h25 r180; PIN_NUMBER "2" at 22561.35,21115.57 h25 r180
R42: PIN_NUMBER "1" at 22222.85,21532.07 h25 r270; PIN_NUMBER "2" at 22222.85,21499.07 h25 r270
R43: PIN_NUMBER "1" at 21469.35,20735.57 h25 r180; PIN_NUMBER "2" at 21436.35,20735.57 h25 r180
R44: PIN_NUMBER "1" at 21867.85,21532.07 h25 r270; PIN_NUMBER "2" at 21867.85,21499.07 h25 r270
R45: PIN_NUMBER "2" at 22122.85,21532.07 h25 r90; PIN_NUMBER "1" at 22122.85,21499.07 h25 r90
R47: PIN_NUMBER "2" at 21937.85,21007.07 h25 r90; PIN_NUMBER "1" at 21937.85,20974.07 h25 r90
R48: PIN_NUMBER "1" at 21469.35,20680.57 h25 r180; PIN_NUMBER "2" at 21436.35,20680.57 h25 r180
R49: PIN_NUMBER "2" at 22837.85,25747.07 h25 r90; PIN_NUMBER "1" at 22837.85,25714.07 h25 r90
R50: PIN_NUMBER "2" at 22987.85,25747.07 h25 r90; PIN_NUMBER "1" at 22987.85,25714.07 h25 r90
R51: PIN_NUMBER "1" at 23061.35,22150.57 h25; PIN_NUMBER "2" at 23094.35,22150.57 h25
R53: PIN_NUMBER "2" at 21358.35,26028.57 h25; PIN_NUMBER "1" at 21325.35,26028.57 h25
R54: PIN_NUMBER "2" at 21358.35,26078.57 h25; PIN_NUMBER "1" at 21325.35,26078.57 h25
R55: PIN_NUMBER "2" at 21358.35,26128.57 h25; PIN_NUMBER "1" at 21325.35,26128.57 h25
R56: PIN_NUMBER "1" at 21325.35,26428.57 h25; PIN_NUMBER "2" at 21358.35,26428.57 h25
R57: PIN_NUMBER "2" at 21358.35,26328.57 h25; PIN_NUMBER "1" at 21325.35,26328.57 h25
R58: PIN_NUMBER "2" at 21358.35,26378.57 h25; PIN_NUMBER "1" at 21325.35,26378.57 h25
R60: PIN_NUMBER "1" at 24394.35,22450.57 h25 r180; PIN_NUMBER "2" at 24361.35,22450.57 h25 r180
R61: PIN_NUMBER "1" at 24394.35,22525.57 h25 r180; PIN_NUMBER "2" at 24361.35,22525.57 h25 r180
R62: PIN_NUMBER "1" at 24394.35,22675.57 h25 r180; PIN_NUMBER "2" at 24361.35,22675.57 h25 r180
R63: PIN_NUMBER "2" at 24361.35,22600.57 h25 r180; PIN_NUMBER "1" at 24394.35,22600.57 h25 r180
R64: PIN_NUMBER "1" at 24361.35,22350.57 h25; PIN_NUMBER "2" at 24394.35,22350.57 h25
R65: PIN_NUMBER "1" at 24361.35,22275.57 h25; PIN_NUMBER "2" at 24394.35,22275.57 h25
R67: PIN_NUMBER "2" at 24115.35,21255.57 h25 r180; PIN_NUMBER "1" at 24148.35,21255.57 h25 r180
R68: PIN_NUMBER "2" at 24115.13,21057.83 h25 r180; PIN_NUMBER "1" at 24148.13,21057.83 h25 r180
R69: PIN_NUMBER "2" at 24115.13,21107.83 h25 r180; PIN_NUMBER "1" at 24148.13,21107.83 h25 r180
R70: PIN_NUMBER "2" at 24115.13,21157.83 h25 r180; PIN_NUMBER "1" at 24148.13,21157.83 h25 r180
R71: PIN_NUMBER "2" at 24115.13,21207.83 h25 r180; PIN_NUMBER "1" at 24148.13,21207.83 h25 r180
R72: PIN_NUMBER "1" at 24148.35,21352.57 h25 r180; PIN_NUMBER "2" at 24115.35,21352.57 h25 r180
R73: PIN_NUMBER "2" at 23492.35,21278.57 h25; PIN_NUMBER "1" at 23459.35,21278.57 h25
R74: PIN_NUMBER "2" at 23498.35,21117.57 h25; PIN_NUMBER "1" at 23465.35,21117.57 h25
R75: PIN_NUMBER "2" at 24148.35,21303.57 h25; PIN_NUMBER "1" at 24115.35,21303.57 h25
R76: PIN_NUMBER "2" at 24132.85,20584.07 h25 r270; PIN_NUMBER "1" at 24132.85,20617.07 h25 r270
R77: PIN_NUMBER "2" at 24232.85,20617.07 h25 r90; PIN_NUMBER "1" at 24232.85,20584.07 h25 r90
R78: PIN_NUMBER "2" at 24082.85,20584.07 h25 r270; PIN_NUMBER "1" at 24082.85,20617.07 h25 r270
R79: PIN_NUMBER "2" at 23832.85,20584.07 h25 r270; PIN_NUMBER "1" at 23832.85,20617.07 h25 r270
R86: PIN_NUMBER "2" at 23592.85,24727.39 h25 r90; PIN_NUMBER "1" at 23592.85,24694.39 h25 r90
R89: PIN_NUMBER "1" at 23642.85,24727.07 h25 r270; PIN_NUMBER "2" at 23642.85,24694.07 h25 r270
R105: PIN_NUMBER "2" at 24563.85,26748.07 h25 r90; PIN_NUMBER "1" at 24563.85,26715.07 h25 r90
R106: PIN_NUMBER "2" at 24559.85,26585.07 h25 r90; PIN_NUMBER "1" at 24559.85,26552.07 h25 r90
R119: PIN_NUMBER "1" at 21249.35,25420.57 h25 r180; PIN_NUMBER "2" at 21216.35,25420.57 h25 r180
R120: PIN_NUMBER "1" at 21249.35,25490.57 h25 r180; PIN_NUMBER "2" at 21216.35,25490.57 h25 r180
R128: PIN_NUMBER "1" at 21250.35,24671.57 h25 r180; PIN_NUMBER "2" at 21217.35,24671.57 h25 r180
R129: PIN_NUMBER "1" at 21250.35,24741.57 h25 r180; PIN_NUMBER "2" at 21217.35,24741.57 h25 r180
R131: PIN_NUMBER "1" at 22067.85,26274.07 h25 r90; PIN_NUMBER "2" at 22067.85,26307.07 h25 r90
R133: PIN_NUMBER "2" at 22012.85,26274.07 h25 r270; PIN_NUMBER "1" at 22012.85,26307.07 h25 r270
R135: PIN_NUMBER "2" at 22122.85,26274.07 h25 r270; PIN_NUMBER "1" at 22122.85,26307.07 h25 r270
R150: PIN_NUMBER "1" at 24082.85,26234.07 h25 r90; PIN_NUMBER "2" at 24082.85,26267.07 h25 r90
R151: PIN_NUMBER "1" at 23922.85,26649.07 h25 r90; PIN_NUMBER "2" at 23922.85,26682.07 h25 r90
R152: PIN_NUMBER "1" at 24002.85,26649.07 h25 r90; PIN_NUMBER "2" at 24002.85,26682.07 h25 r90
R154: PIN_NUMBER "1" at 24082.85,26682.07 h25 r270; PIN_NUMBER "2" at 24082.85,26649.07 h25 r270
R155: PIN_NUMBER "2" at 24162.85,26682.07 h25 r90; PIN_NUMBER "1" at 24162.85,26649.07 h25 r90
R165: PIN_NUMBER "1" at 21249.35,23560.57 h25 r180; PIN_NUMBER "2" at 21216.35,23560.57 h25 r180
R173: PIN_NUMBER "1" at 21249.35,23510.57 h25 r180; PIN_NUMBER "2" at 21216.35,23510.57 h25 r180
R174: PIN_NUMBER "2" at 21249.35,23455.57 h25; PIN_NUMBER "1" at 21216.35,23455.57 h25
R175: PIN_NUMBER "2" at 23966.35,22905.57 h25 r180; PIN_NUMBER "1" at 23999.35,22905.57 h25 r180
RJ1: PIN_NUMBER "7" at 21172.85,20665.57 h25 r90; PIN_NUMBER "14" at 21032.85,20485.57 h25 r90; PIN_NUMBER "13" at 21032.85,21095.57 h25 r90; PIN_NUMBER "8" at 21272.85,20615.57 h25 r90; PIN_NUMBER "9" at 20729.86,21051.55 h25 r90; PIN_NUMBER "12" at 20719.86,20529.58 h25 r90; PIN_NUMBER "10" at 20719.86,20951.55 h25 r90; PIN_NUMBER "1" at 21172.85,20965.57 h25 r90; PIN_NUMBER "2" at 21272.85,20915.57 h25 r90; PIN_NUMBER "5" at 21172.85,20765.57 h25 r90; PIN_NUMBER "4" at 21272.85,20815.57 h25 r90; PIN_NUMBER "11" at 20719.86,20629.58 h25 r90; PIN_NUMBER "3" at 21172.85,20865.57 h25 r90; PIN_NUMBER "6" at 21272.85,20715.57 h25 r90; Top Overlay "1" at 21122.85,20960.57 h30 r90; Top Overlay "7" at 21127.85,20655.57 h30 r90; Top Overlay "9" at 20692.85,21035.57 h30 r90; Top Overlay "12" at 20692.85,20490.57 h30 r90
U4: PIN_NUMBER "15" at 23041.85,20653.21 h20 r270; PIN_NUMBER "14" at 22991.85,20653.21 h20 r270; PIN_NUMBER "5" at 22899.85,20857.93 h20 r270; PIN_NUMBER "2" at 23049.85,20857.93 h20 r270; PIN_NUMBER "13" at 22941.85,20653.21 h20 r270; PIN_NUMBER "4" at 22949.85,20857.93 h20 r270; PIN_NUMBER "6" at 22849.85,20857.93 h20 r270; PIN_NUMBER "8" at 22749.85,20857.93 h20 r270; PIN_NUMBER "7" at 22799.85,20857.93 h20 r270; PIN_NUMBER "16" at 23091.85,20653.21 h20 r270; PIN_NUMBER "9" at 22749.85,20653.21 h20 r270; PIN_NUMBER "10" at 22791.85,20653.21 h20 r270; PIN_NUMBER "1" at 23099.85,20857.93 h20 r270; PIN_NUMBER "12" at 22891.85,20653.21 h20 r270; PIN_NUMBER "11" at 22841.85,20653.21 h20 r270; PIN_NUMBER "3" at 22999.85,20857.93 h20 r270
U8: PIN_NUMBER "23" at 22366.99,21287.03 h15.75 r180; PIN_NUMBER "18" at 22366.99,21188.6 h15.75 r180; PIN_NUMBER "19" at 22366.99,21208.29 h15.75 r180; PIN_NUMBER "15" at 22366.99,21129.55 h15.75 r180; PIN_NUMBER "14" at 22366.99,21109.86 h15.75 r180; PIN_NUMBER "17" at 22366.99,21168.92 h15.75 r180; PIN_NUMBER "26" at 22321.71,21332.3 h15.75 r90; PIN_NUMBER "25" at 22341.4,21332.3 h15.75 r90; PIN_NUMBER "11" at 22321.71,21048.84 h15.75 r90; PIN_NUMBER "27" at 22302.03,21332.3 h15.75 r90; PIN_NUMBER "33" at 22183.92,21332.3 h15.75 r90; PIN_NUMBER "35" at 22144.55,21332.3 h15.75 r90; PIN_NUMBER "36" at 22124.86,21332.3 h15.75 r90; PIN_NUMBER "1" at 22131.16,21048.84 h15.75 r90; PIN_NUMBER "49" at 22217.85,21190.57 h25 r90; PIN_NUMBER "48" at 22083.52,21090.18 h15.75 r180; PIN_NUMBER "38" at 22083.52,21287.03 h15.75 r180; PIN_NUMBER "43" at 22083.52,21188.6 h15.75 r180; PIN_NUMBER "16" at 22366.99,21149.23 h15.75 r180; PIN_NUMBER "6" at 22229.59,21048.84 h15.75 r90; PIN_NUMBER "7" at 22249.27,21048.84 h15.75 r90; PIN_NUMBER "41" at 22083.52,21227.97 h15.75 r180; PIN_NUMBER "40" at 22083.52,21247.66 h15.75 r180; PIN_NUMBER "24" at 22366.99,21306.71 h15.75 r180; PIN_NUMBER "37" at 22083.52,21306.71 h15.75 r180; PIN_NUMBER "42" at 22083.52,21208.29 h15.75 r180; PIN_NUMBER "45" at 22083.52,21149.23 h15.75 r180; PIN_NUMBER "46" at 22083.52,21129.55 h15.75 r180; PIN_NUMBER "32" at 22203.6,21332.3 h15.75 r90; PIN_NUMBER "22" at 22366.99,21267.34 h15.75 r180; PIN_NUMBER "44" at 22083.52,21168.92 h15.75 r180; PIN_NUMBER "3" at 22170.53,21048.84 h15.75 r90; PIN_NUMBER "10" at 22302.03,21048.84 h15.75 r90; PIN_NUMBER "34" at 22164.23,21332.3 h15.75 r90; PIN_NUMBER "29" at 22262.66,21332.3 h15.75 r90; PIN_NUMBER "8" at 22268.96,21048.84 h15.75 r90; PIN_NUMBER "39" at 22083.52,21267.34 h15.75 r180; PIN_NUMBER "21" at 22366.99,21247.66 h15.75 r180; PIN_NUMBER "9" at 22288.64,21048.84 h15.75 r90; PIN_NUMBER "30" at 22242.97,21332.3 h15.75 r90; PIN_NUMBER "20" at 22366.99,21227.97 h15.75 r180; PIN_NUMBER "47" at 22083.52,21109.86 h15.75 r180; PIN_NUMBER "28" at 22282.34,21332.3 h15.75 r90; PIN_NUMBER "4" at 22190.22,21048.84 h15.75 r90; PIN_NUMBER "31" at 22223.29,21332.3 h15.75 r90; PIN_NUMBER "5" at 22209.9,21048.84 h15.75 r90; PIN_NUMBER "13" at 22366.99,21090.18 h15.75 r180; PIN_NUMBER "2" at 22150.85,21048.84 h15.75 r90; PIN_NUMBER "12" at 22341.4,21048.84 h15.75 r90